# Altium PCB keyboard.PcbDoc
Units mil, origin at the board's own origin, x right, y up, seen from the top; angles counter-clockwise.
Board outline 3755.05 x 3940.05 mil, 2 copper layers (Top Layer, Bottom Layer); 39 components, 74 nets, 466 pads, 131 vias.
Unrouted connection lines stored in the file: 48.
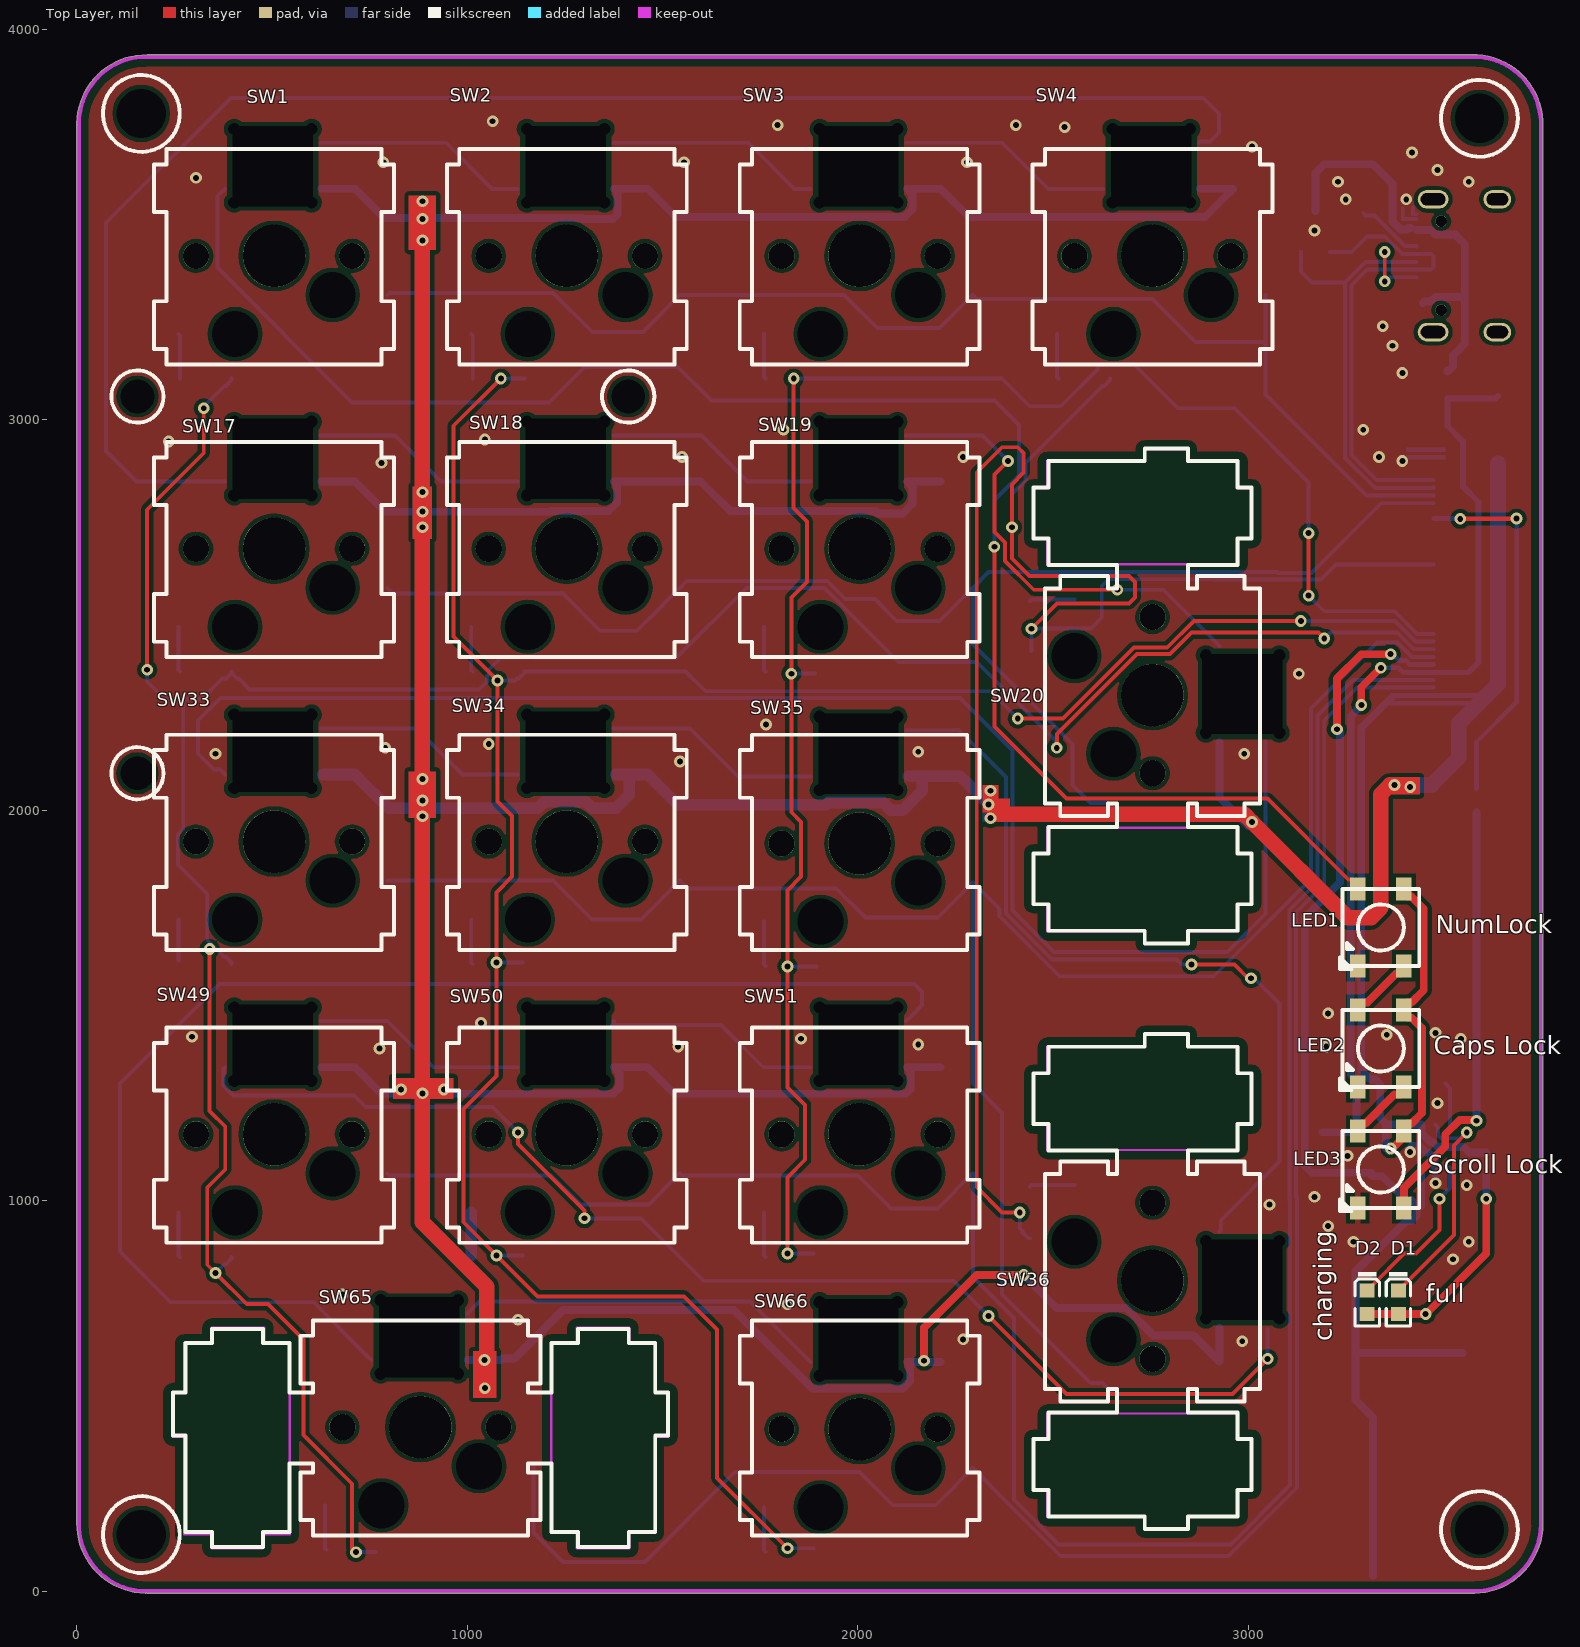
[diagram p0: Top Layer view]
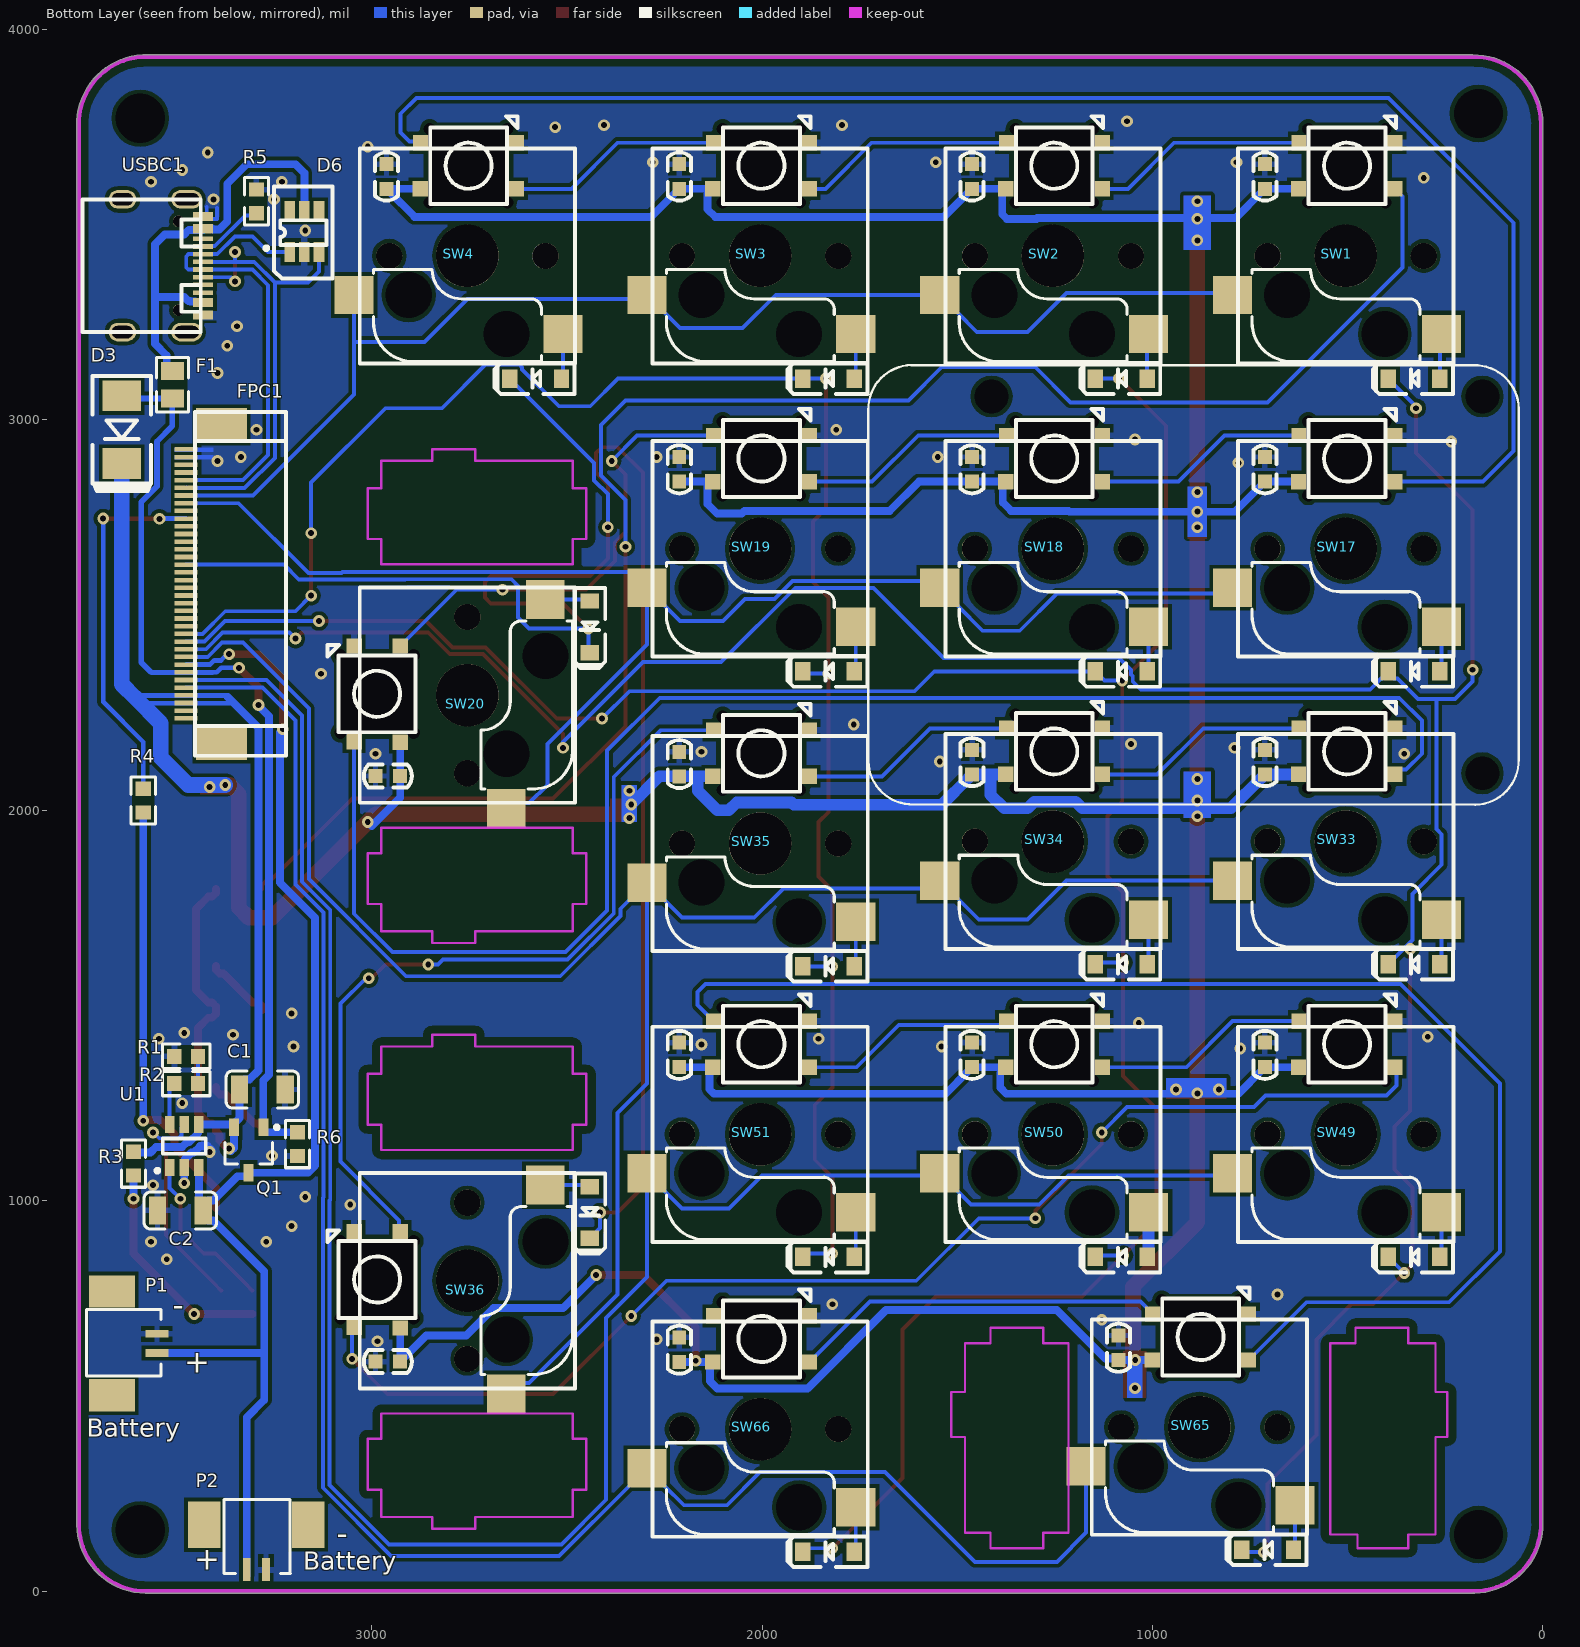
[diagram p1: Bottom Layer view, seen from below]
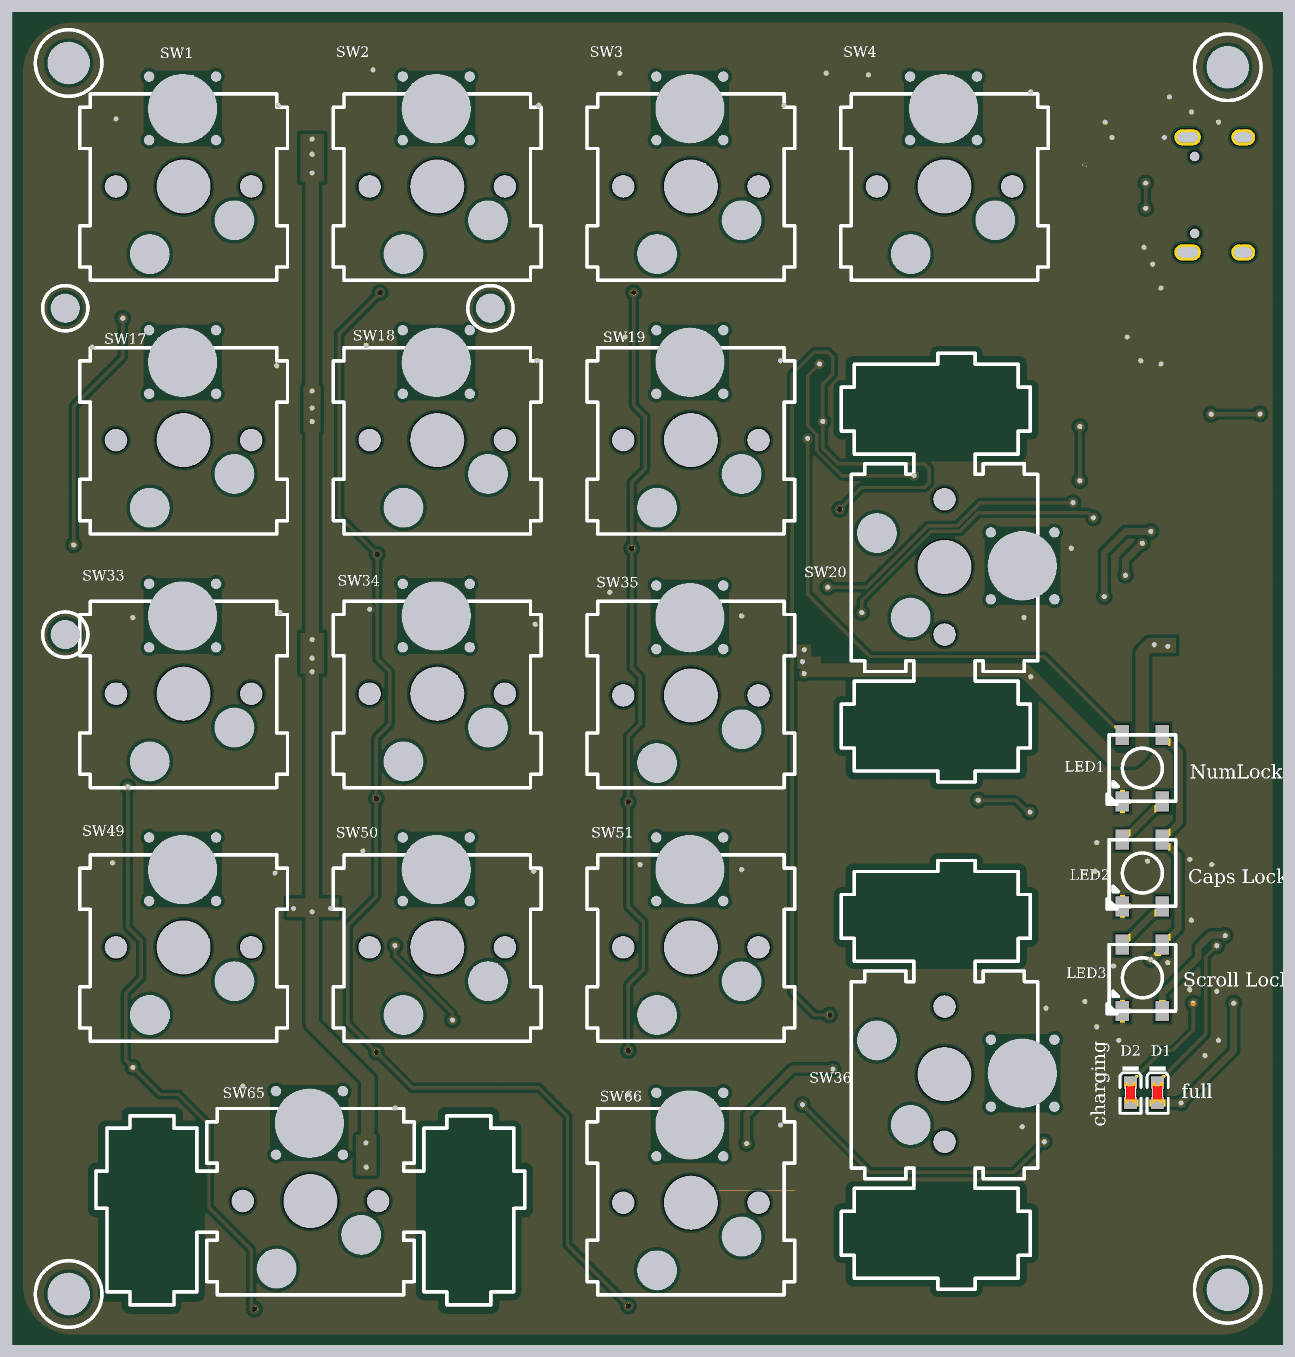
[diagram p2: 3D render of the assembled board from above, using the file's embedded part models]
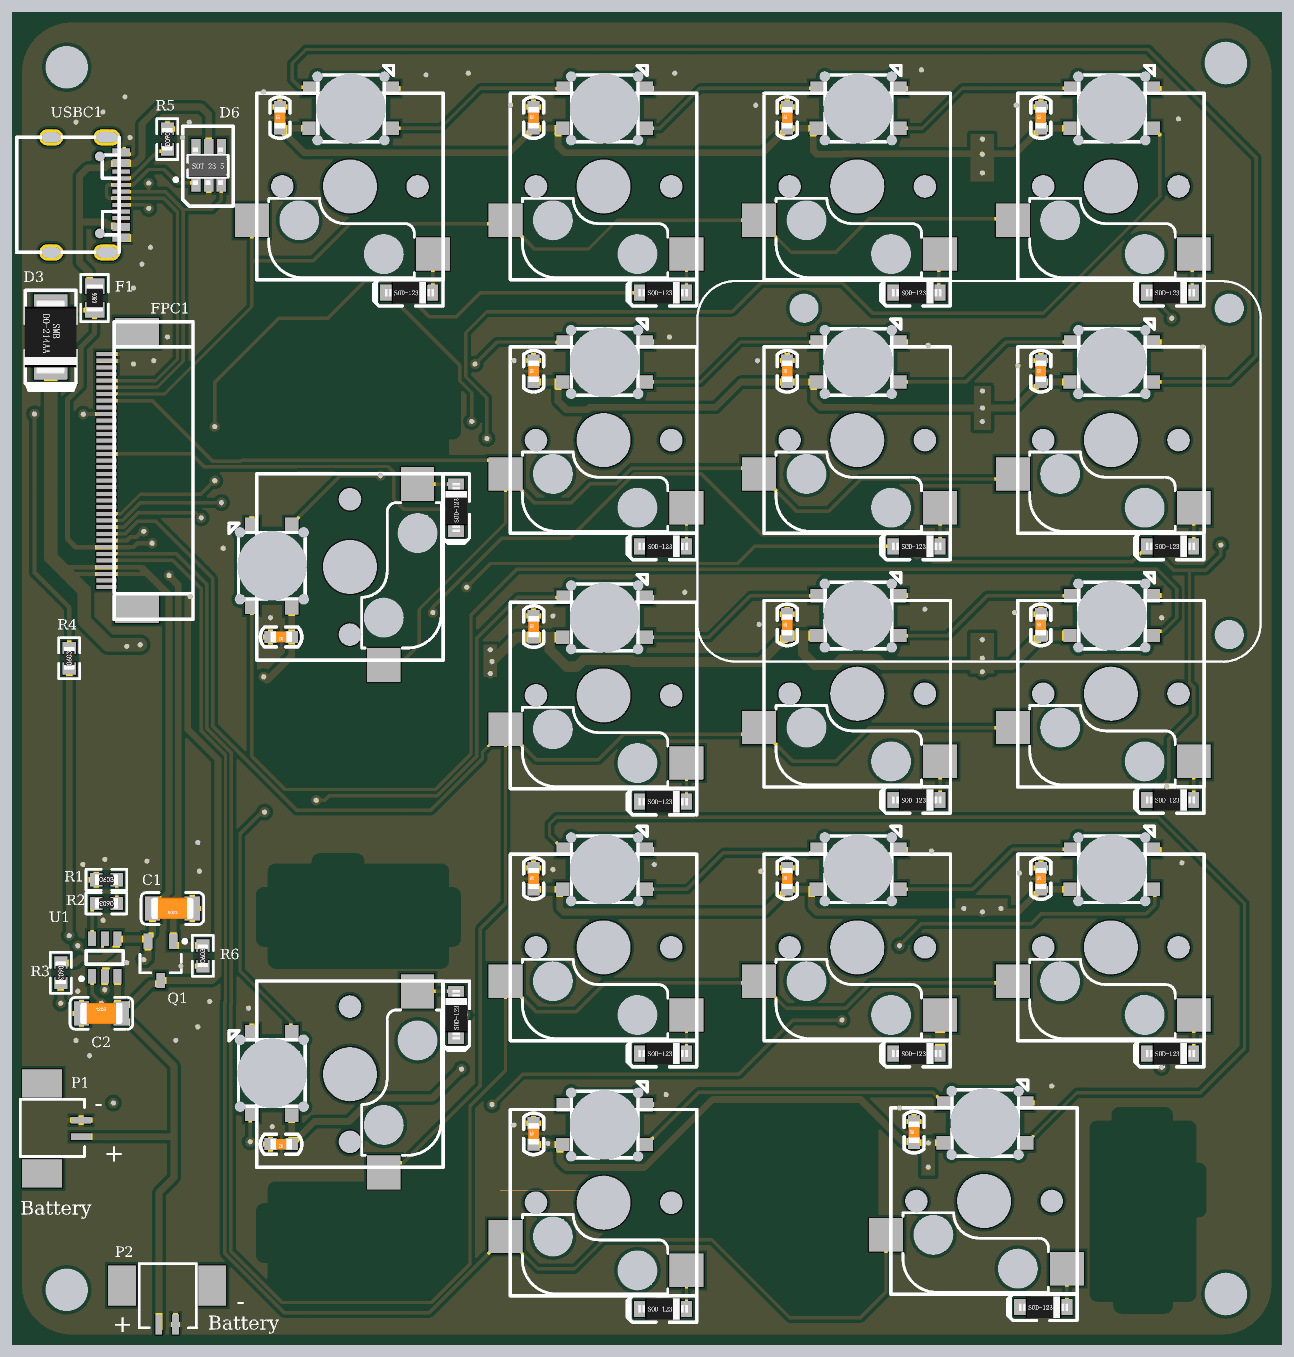
[diagram p3: 3D render of the assembled board from below, using the file's embedded part models]

## Layer stack, top to bottom
Top Solder: solder mask 0.4, Solder Resist, Dk 3.5
Top Layer: signal copper 1.4
Dielectric 1: dielectric 12.6, FR-4, Dk 4.8
Bottom Layer: signal copper 1.4
Bottom Solder: solder mask 0.4, Solder Resist, Dk 3.5

## Board outline
177.5,-4.35 ccw(c180,0) 180,-5.02 3574.97,-5.02 ccw(c3577.5,172.5) 3580.07,-5.01 ccw(c3577.5,172.5) 3755.01,169.93 ccw(c3750,170) 3755.01,170 ccw(c3750,170) 3755.01,170.03 3755.01,3754.96 ccw(c3577.5,3757.5) 3755.03,3757.5 ccw(c3577.5,3757.5) 3755.01,3760.04 3755.01,3765 ccw(c3750,3765) 3754.81,3766.42 ccw(c3577.5,3757.5) 3586.42,3934.81 ccw(c3585,3930) 3585,3935.01 180.03,3935.01 ccw(c177.5,3757.5) -0.01,3760.07 ccw(c5,3760) 0.65,3757.5 ccw(c5,3755) -0.01,3755 -0.01,175.05 cw(c177.5,172.5) -0.01,175.07 -0.01,175.05 ccw(c177.5,172.5) 174.93,-5.01 ccw(c175,0)

## Design rules (kind name [scope] priority, off if disabled: settings)
Clearance Clearance_Polygon-Earth [InPolygon vs InNetClass('Earth')] p1: gap=40 ignorepadtopadclearanceinfootprint=FALSE except(0: Arc-Hole Track-Hole SMDPad-Hole THPad-Hole Via-Hole Fill-Hole Poly-Hole Region-Hole Text-Hole)
Clearance Clearance_TH [InPolygon vs InPadClass('TH')] p2: gap=35 ignorepadtopadclearanceinfootprint=FALSE except(0: Arc-Hole Track-Hole SMDPad-Hole THPad-Hole Via-Hole Fill-Hole Poly-Hole Region-Hole Text-Hole)
Clearance Clearance_Polygon-SH [InPolygon vs InNetClass('SH')] p3: gap=20 ignorepadtopadclearanceinfootprint=FALSE except(0: Arc-Hole Track-Hole SMDPad-Hole THPad-Hole Via-Hole Fill-Hole Poly-Hole Region-Hole Text-Hole)
Clearance Clearance_Polygon-Vin [InPolygon vs InNetClass('Vin')] p4: gap=25 ignorepadtopadclearanceinfootprint=FALSE except(0: Arc-Hole Track-Hole SMDPad-Hole THPad-Hole Via-Hole Fill-Hole Poly-Hole Region-Hole Text-Hole)
Clearance Clearance_Polygon-mark [InPolygon vs InPadClass('mark')] p5: gap=40 ignorepadtopadclearanceinfootprint=FALSE except(0: Arc-Hole Track-Hole SMDPad-Hole THPad-Hole Via-Hole Fill-Hole Poly-Hole Region-Hole Text-Hole)
Clearance Clearance_Polygon-bound [InPolygon vs OnLayer('Keep-Out Layer')] p6: gap=20 ignorepadtopadclearanceinfootprint=FALSE except(0: Arc-Hole Track-Hole SMDPad-Hole THPad-Hole Via-Hole Fill-Hole Poly-Hole Region-Hole Text-Hole)
Clearance Clearance_Polygon [InPolygon] p7: gap=10 ignorepadtopadclearanceinfootprint=FALSE except(0: Arc-Hole Track-Hole SMDPad-Hole THPad-Hole Via-Hole Fill-Hole Poly-Hole Region-Hole Text-Hole)
Clearance [All] p8: gap=7 ignorepadtopadclearanceinfootprint=FALSE except(0: Arc-Hole Track-Hole SMDPad-Hole THPad-Hole Via-Hole Fill-Hole Poly-Hole Region-Hole Text-Hole)
ComponentClearance [All] p1: gap=0 collisioncheckmode=3 verticalgap=0 showdistances=FALSE
DiffPairsRouting [All] p1: maxlimit=50 minlimit=8 mostfreqgap=10 toplayer_minwidth=8 toplayer_maxwidth=15 toplayer_prefwidth=12 bottomlayer_minwidth=8 bottomlayer_maxwidth=15 bottomlayer_prefwidth=12 maxuncoupledlength=50
HoleSize [All] p1: absolutevalues=TRUE maxlimit=130 minlimit=10 maxpercent=80.000 minpercent=20.000
HoleToHoleClearance [All] p1: gap=0 allowstackedmicrovias=TRUE
MinimumSolderMaskSliver [All] p1: minsoldermaskwidth=0
PlaneClearance [All] p1: clearance=30
PlaneConnect [All] p1: planeconnectstyle=Direct reliefexpansion=20 reliefentries=4 reliefconductorwidth=20 reliefairgap=10
PolygonConnect via [IsVia] p1: connectstyle=Direct reliefconductorwidth=10 reliefentries=4 polygonreliefangle="90 Angle" airgapwidth=10
PolygonConnect [All] p2: connectstyle=Relief reliefconductorwidth=15 reliefentries=4 polygonreliefangle="90 Angle" airgapwidth=10
RoomDefinition keyboard [InComponentClass('keyboard')] p1: confinementstyle=ConfineOut formatcopy=TRUE lockcomponents=FALSE outline 4855,310 6855,310 6855,1310 4855,1310
RoutingVias [All] p1: holewidth=10 width=20 viastyle="Through Hole" minholewidth=10 minwidth=20 maxholewidth=100 maxwidth=100
SilkToSilkClearance [All] p1: silktosilkclearance=0
SilkToSolderMaskClearance [IsPad] p1: minsilkscreentomaskgap=0 clearancetoexposedcopper=TRUE
SolderMaskExpansion [All] p1: expansion=4
Width [All] p1: maxlimit=200 minlimit=6 preferedwidth=10
21 further rules are at their usual default settings.

## Components (designator, comment, footprint, x,y, rotation, side; value= is the part's Value field where it differs from the comment)
C1 "10uF (106) 10% 50V" 1206_C 3280,1285 r0 bottom
C2 "10uF (106) 10% 50V" 1206_C 3490,975 r180 bottom
D1 "绿灯 0603" 0603_LED_S1 3385,740 r270 top
D2 "红灯 0603" 0603_LED_S1 3305,740 r270 top
D3 "SS24" SMB 3640,2975 r270 bottom
D6 "SRV05-4" SOT23-6 3175,3480 r90 bottom
F1 "0.5A 12V" R0805 3510,3090 r90 bottom
FPC1 "AFC07-S36ECC-00" FPC-0.5MM-36P-LCS-SJ-H2.0 3430,2580 r270 bottom
LED1 "WS2812E" LED-5050_4P 3340,1700 r90 top
LED2 "WS2812E" LED-5050_4P 3340,1390 r90 top
LED3 "WS2812E" LED-5050_4P 3340,1080 r90 top
P1 "1.25T-2-2A" PH_2PIN_1.25_T_90 3550,610 r90 bottom
P2 "1.25T-2-2A" PH_2PIN_1.25_T_90 3320,55 r180 bottom
Q1 "AO3401A P道沟 X13A15 SOT-23" SOT-23-3L 3315,1130 r90 bottom
R1 "1.5KΩ (1501) ±1%" 0603_R 3475,1370 r180 bottom
R2 "200Ω (2000) ±1%" 0603_R 3475,1300 r0 bottom
R3 "1KΩ (1001) ±1%" 0603_R 3610,1095 r270 bottom
R4 "100Ω (1000) ±1%" 0603_R 3585,2025 r90 bottom
R5 "5.1KΩ (5101) ±1%" 0603_R 3295,3560 r270 bottom
R6 "10KΩ (1002) ±1%" 0603_R 3190,1145 r90 bottom
SW1 "MX_SW" MX_SW-7 505,3420 r0 top
SW2 "MX_SW" MX_SW-7 1255,3420 r0 top
SW3 "MX_SW" MX_SW-7 2005,3420 r0 top
SW4 "MX_SW" MX_SW-7 2755,3420 r0 top
SW17 "MX_SW" MX_SW-7 505,2670 r0 top
SW18 "MX_SW" MX_SW-7 1255,2670 r0 top
SW19 "MX_SW" MX_SW-7 2005,2670 r0 top
SW20 "MX_SW" MX_SW-7 2755,2295 r270 top
SW33 "MX_SW" MX_SW-7 505,1920 r0 top
SW34 "MX_SW" MX_SW-7 1255,1920 r0 top
SW35 "MX_SW" MX_SW-7 2005,1915 r0 top
SW36 "MX_SW" MX_SW-7 2755,795 r270 top
SW49 "MX_SW" MX_SW-7 505,1170 r0 top
SW50 "MX_SW" MX_SW-7 1255,1170 r0 top
SW51 "MX_SW" MX_SW-7 2005,1170 r0 top
SW65 "MX_SW" MX_SW-7 880,420 r0 top
SW66 "MX_SW" MX_SW-7 2005,415 r0 top
U1 "TP4057" SOT-23-6 3480,1140 r270 bottom
USBC1 "TYPE-C-31-M-12" USB-TYPE-C_16PIN-MALE-TYPE-C-31-M-12 3535,3395 r270 bottom

## Footprints (in the part's own frame and the unit in brackets; to place one, negate y for a bottom-side part, rotate by r counter-clockwise, add the part's x,y. Pads: shape width x height; smd on the part's side, far side on the other; paste and mask are expansions set on the pad)
0603_LED_S1 [mm]
  rect 0.93x0.98 smd: A(0.77,0) K(-0.77,0)
  silkscreen extent -1.98,-0.79 1.54,0.79, body extent -0.8,-0.4 0.8,0.4, height 0.6
0603_R [mm]
  rect 0.93x0.98 smd: 1(-0.77,0) 2(0.77,0)
  silkscreen extent -1.53,-0.79 1.54,0.79, body extent -0.85,-0.4 0.85,0.4, height 0.56
1206_C [mm]
  rect 1.13x1.8 smd: 1(-1.49,0) 2(1.49,0)
  silkscreen extent -2.36,-1.2 2.35,1.2, body extent -1.6,-0.81 1.6,0.79, height 1
FPC-0.5MM-36P-LCS-SJ-H2.0 [mm]
  rect 0.3x1.5 smd: 1(-8.749,-1.149) 2(-8.25,-1.149) 3(-7.75,-1.149) 4(-7.249,-1.149) 5(-6.749,-1.149) 6(-6.248,-1.149) 7(-5.748,-1.149) 8(-5.249,-1.149) 9(-4.75,-1.149) 10(-4.249,-1.149) 11(-3.749,-1.149) 12(-3.249,-1.149) 13(-2.748,-1.149) 14(-2.249,-1.149) 15(-1.749,-1.149) 16(-1.25,-1.149) 17(-0.749,-1.149) 18(-0.249,-1.149) 19(0.251,-1.149) 20(0.752,-1.149) 21(1.252,-1.149) 22(1.75,-1.149) 23(2.25,-1.149) 24(2.751,-1.149) 25(3.251,-1.149) 26(3.752,-1.149) 27(4.252,-1.149) 28(4.751,-1.149) 29(5.25,-1.149) 30(5.751,-1.149) 31(6.251,-1.149) 32(6.751,-1.149) 33(7.252,-1.151) 34(7.752,-1.151) 35(8.252,-1.151) 36(8.75,-1.149)
  rect 2.2x3.3 smd: 37(10.348,1.151) 38(-10.348,1.151)
  silkscreen extent -11.18,-0.57 11.18,5.35
LED-5050_4P [mm]
  rect 1.5x1 smd: 1(2.5,-1.5) 2(2.5,1.5) 3(-2.5,1.5) 4(-2.5,-1.5)
  silkscreen extent -2.7,-2.5 2.5,2.65
MX_SW-7 [mil] "with Fixation pins  1-Pole w/LED"
  round 0 hole 31.5 unplated: 0(-102,137) 0(-102,325) 0(96,137) 0(96,325)
  round 0 hole 118.11 unplated: 0(-100,-200) 0(150,-100)
  rect 0x0 hole 204.72 square unplated: 0(-3,230)
  rect 100.39x98.43 smd far side: 1(290,-100) 2(-245,-200)
  rect 39.37x47.24 smd far side: 3(-241.14,-314) 4(-108.86,-314)
  rect 39.37x39.37 smd far side: 5(121,172) 6(119,290) 7(-126,290) 8(-126,172)
  rect 35.43x35.83 smd far side: 5(207,172) 7(207,234.99)
  round 67 hole 67 unplated: ""(-200,0) ""(200,0)
  round 160 hole 160 unplated: ""(0,0)
  body extent -249,-345 223,235, height 47
PH_2PIN_1.25_T_90 [mm]
  rect 2.1x3 smd: 0(-2.757,2.921) 0(4.007,2.921)
  rect 0.5x1.5 smd: 1(0,0) 2(1.25,0)
  silkscreen extent -1.49,-0.25 2.83,4.57
R0805 [mm]
  rect 1.16x1.47 smd: 1(-0.89,0) 2(0.89,0)
  silkscreen extent -1.77,-1.04 1.77,1.03, body extent -1,-0.63 1,0.62, height 0.49
SMB [mm]
  rect 2x2.5 smd: 1(-2.2,0) 2(2.2,0)
  silkscreen extent -3.5,-1.91 4,1.91, body extent -2.8,-1.95 2.8,1.95, height 2.5
SOT23-6 [mm] "SOT23, 5-Leads, Body 2.9x1.6mm, Pitch 0.95mm, Lead Span 2.8mm, IPC Low Density"
  rect 1.3x0.7 smd: 1(-1.257,0.889) 2(-1.257,-0.061) 3(-1.257,-1.011) 4(1.397,-1.016) 5(1.397,-0.066) 6(1.397,0.889)
  silkscreen extent -3,-1.9 3,2.54, body extent -1.4,-1.45 1.4,1.45, height 1.2
SOT-23-3L [mm] "http://www.aosmd.com/res/packaging_information/SOT-23-3L.pdf"
  rect 1.15x0.65 smd: 1(1.475,-0.95) 2(1.475,0.95) 3(-1.475,0)
  silkscreen extent -0.9,-1.95 1.6,1.55, body extent -0.9,-1.55 0.9,1.55, height 1.25
SOT-23-6 [mm]
  rect 1.1x0.6 smd: 1(1.4,-0.95) 2(1.4,0) 3(1.4,0.95) 4(-1.4,0.95) 5(-1.4,0) 6(-1.4,-0.95)
  silkscreen extent -0.5,-1.87 1.72,1.4
USB-TYPE-C_16PIN-MALE-TYPE-C-31-M-12 [mm]
  oval 1.2x1.8 hole 0.8 slot 1.4 at 90 deg unplated: 0(-4.32,-2.624) 0(4.32,-2.624)
  oval 1.2x2 hole 0.8 slot 1.6 at 90 deg unplated: 0(-4.32,1.556) 0(4.32,1.556)
  rect 0.3x1.3 smd: A1(-3.35,2.623) A4(-2.55,2.623) A5(-1.25,2.623) A6(-0.25,2.623) A7(0.25,2.623) A8(1.25,2.624) A9(2.55,2.623) A12(3.35,2.623) B1(3.05,2.623) B4(2.25,2.623) B5(1.75,2.623) B6(0.75,2.623) B7(-0.75,2.623) B8(-1.75,2.624) B9(-2.25,2.623) B12(-3.05,2.623)
  round 0.75 hole 0.75 unplated: ""(-2.89,1.026) ""(2.89,1.026)
  silkscreen extent -4.32,-5.23 4.32,2.47
